# EAGLE board Mk4 Final a Panel score (EAGLE 9.0.1), part 1 of 24 (continued)
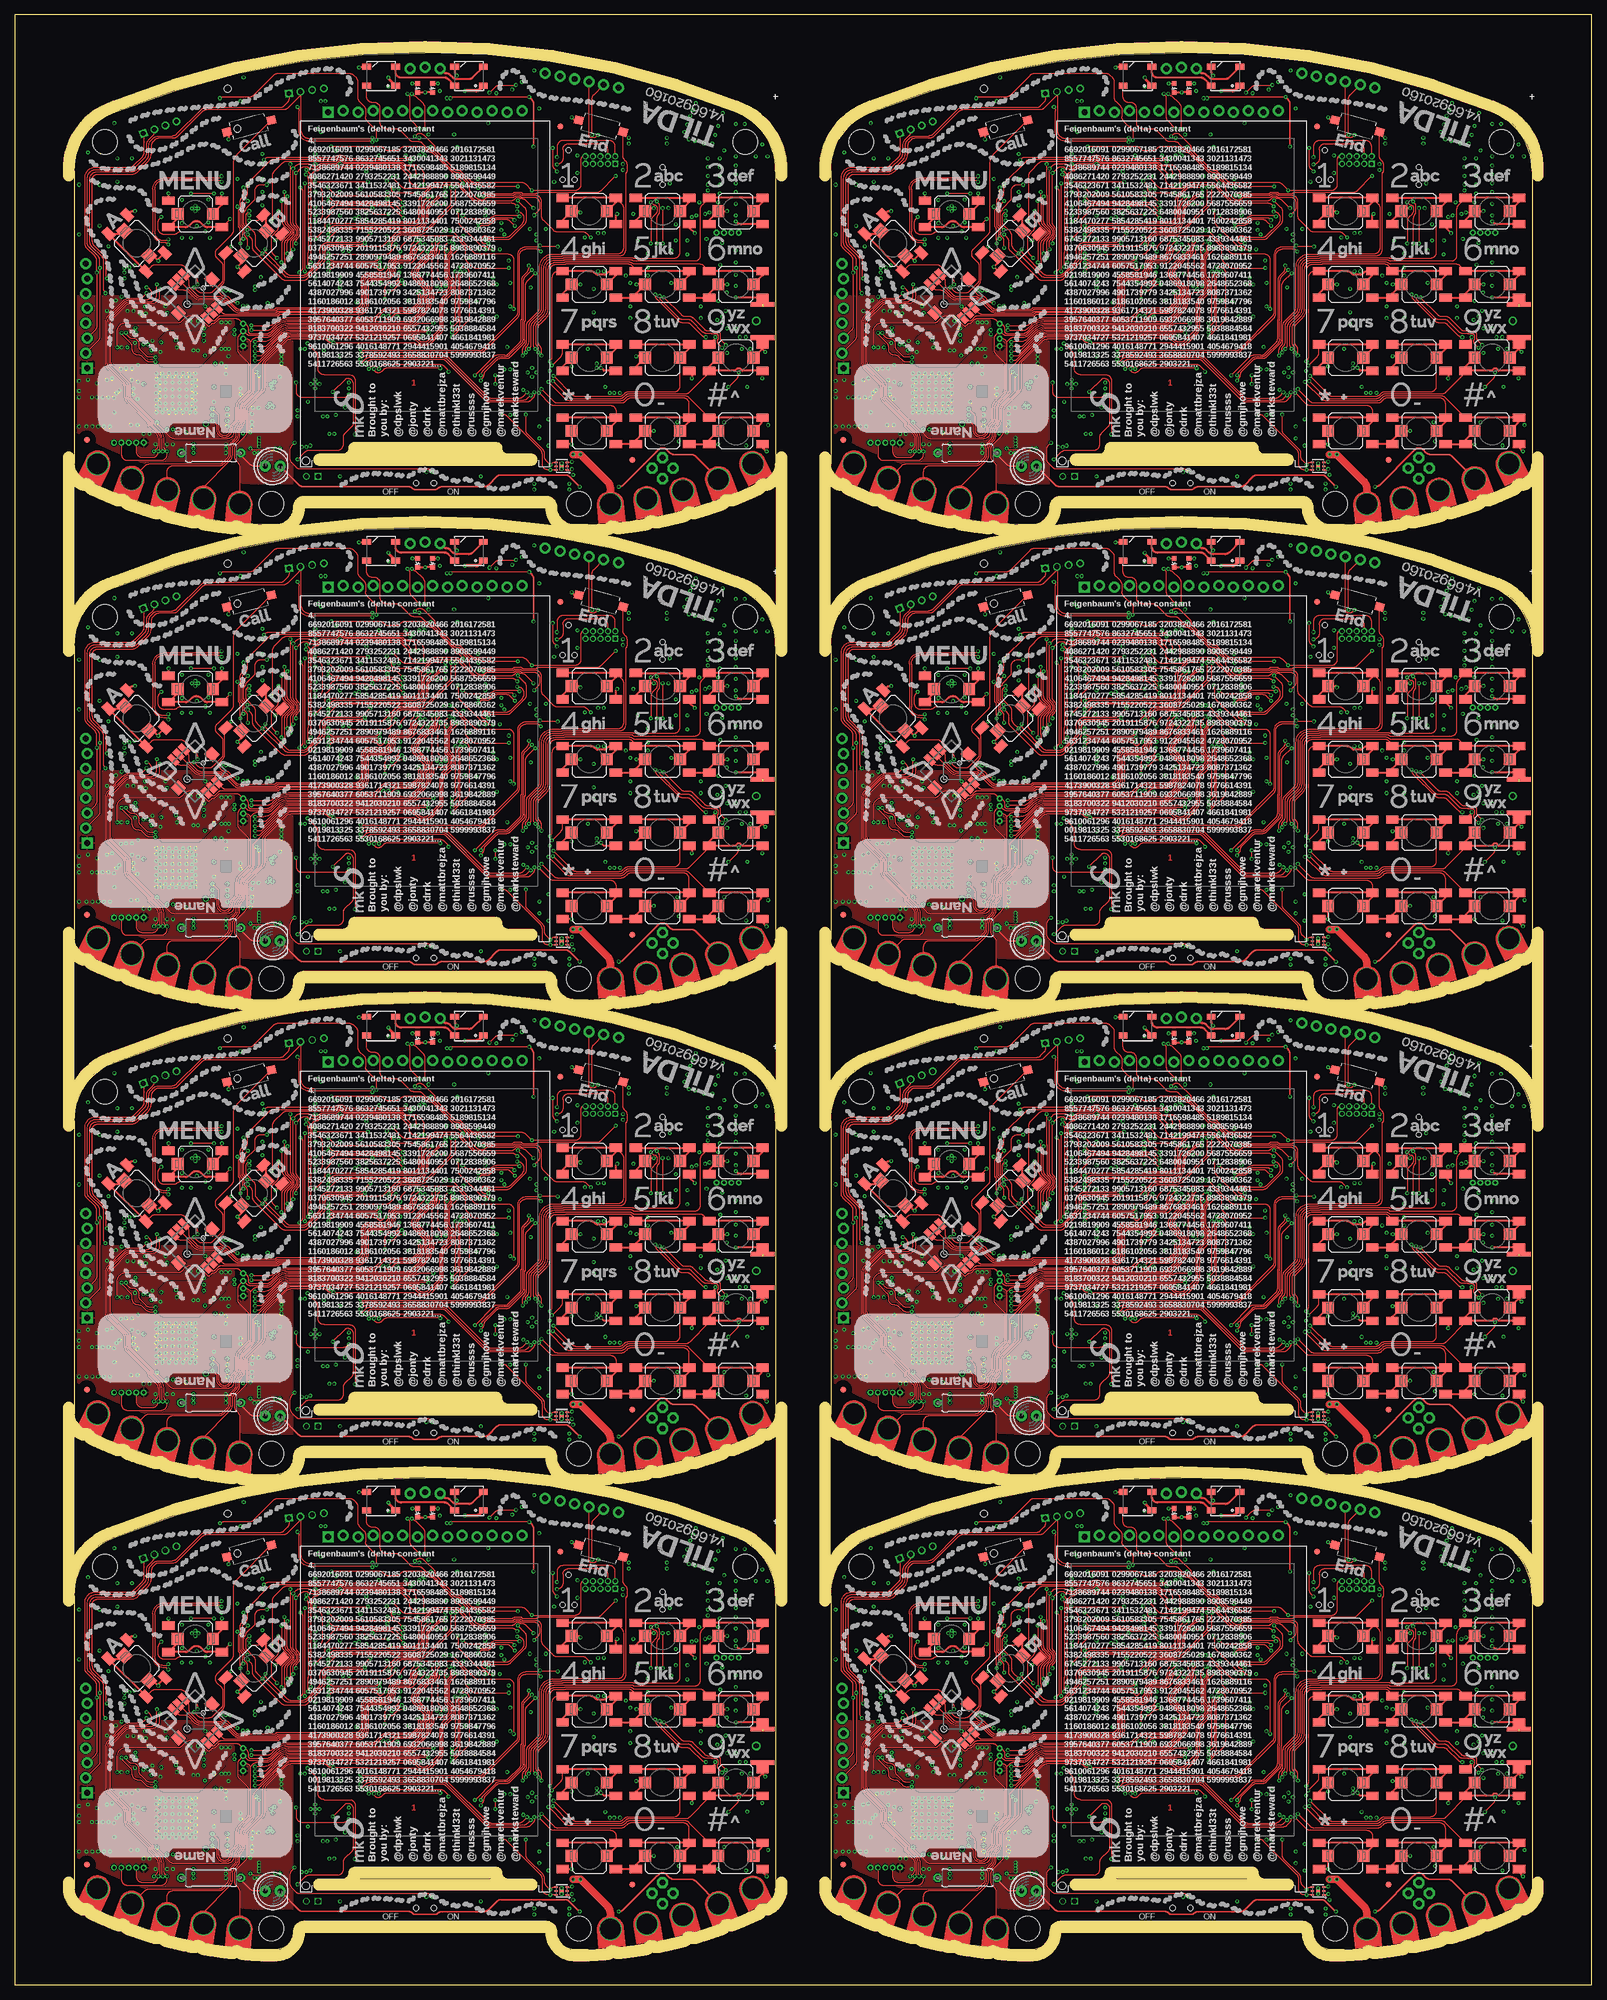
[diagram p0: board, top side]
## Placement (x,y rotation side) (continued)
C103  0402/120p/50V/C0G  [C0402-SMALLER]  37.95,20.35 270 bottom
C104  0402/100n/10V/X5R  [C0402-SMALLER]  94.25,16 90 bottom
C105  0402/220n/6V3/X5R  [C0402-SMALLER]  33.95,66.4 180 bottom
C106  0402/220n/6V3/X5R  [C0402-SMALLER]  34,63.5 180 bottom
C107  0402/100n/10V/X5R  [C0402-SMALLER]  89.35,12.5 270 bottom
C108  0402/100n/10V/X5R  [C0402-SMALLER]  96,15.5 270 bottom
C109  0603/4u7/10V/X5R  [C0603K-SMALL]  190.75,46.25 180 bottom
C110  0402/100n/10V/X5R  [C0402-SMALLER]  190.75,45 180 bottom
C111  0603/1u/6V3/X5R  [C0603K-SMALL]  193.75,81.5 270 bottom
C112  0402/100n/10V/X5R  [C0402-SMALLER]  208.75,52.25 0 bottom
C113  0402/100n/10V/X5R  [C0402-SMALLER]  201.5,78.75 270 bottom
C114  0402/100n/10V/X5R  [C0402-SMALLER]  208.5,74.5 0 bottom
C115  0402/100n/10V/X5R  [C0402-SMALLER]  217.45,76.5 270 bottom
C116  0603/2u2/6V3/X5R  [C0603K-SMALL]  210,57.5 0 bottom
C117  0603/1u/6V3/X5R  [C0603K-SMALL]  210,56.25 0 bottom
C118  0402/100n/10V/X5R  [C0402-SMALLER]  200.75,69 270 bottom
C119  0402/100n/10V/X5R  [C0402-SMALLER]  208.5,59.25 90 bottom
C120  0402/100n/10V/X5R  [C0402-SMALLER]  189.75,58.6 270 bottom
C121  0402/100n/10V/X5R  [C0402-SMALLER]  198.5,68.25 0 bottom
C122  0402/100n/10V/X5R  [C0402-SMALLER]  199,49.5 180 bottom
C123  0402/100n/10V/X5R  [C0402-SMALLER]  201.75,49.5 180 bottom
C124  0603/1u/6V3/X5R  [C0603K-SMALL]  201.75,47.75 180 bottom
C125  0402/100n/10V/X5R  [C0402-SMALLER]  197.5,70.25 0 bottom
C126  0402/12p/50V/C0G  [C0402-SMALLER]  201.25,70.45 180 bottom
C127  0402/12p/50V/C0G  [C0402-SMALLER]  203.25,70.45 0 bottom
C128  0402/12p/50V/C0G  [C0402-SMALLER]  192.4,69 180 bottom
C129  0402/12p/50V/C0G  [C0402-SMALLER]  194.4,69 0 bottom
C130  0603/3n3/50V/X7R  [C0603K-SMALL]  215.5,83.5 90 bottom
C131  0402/100n/10V/X5R  [C0402-SMALLER]  213,31.75 180 bottom
C132  0402/100n/10V/X5R  [C0402-SMALLER]  183.25,67.5 0 bottom
C133  0402/100n/10V/X5R  [C0402-SMALLER]  183.25,62.75 0 bottom
C134  0402/100n/10V/X5R  [C0402-SMALLER]  168.25,60.25 180 bottom
C135  0402/100n/10V/X5R  [C0402-SMALLER]  183.25,58.75 0 bottom
C136  0402/100n/10V/X5R  [C0402-SMALLER]  183.25,69 0 bottom
C137  0402/100n/10V/X5R  [C0402-SMALLER]  168.25,65 180 bottom
C138  0402/100n/10V/X5R  [C0402-SMALLER]  183.25,48.25 0 bottom
C139  1411/100u/10V/Tant  [CT3528]  235.25,31.5 90 bottom
C140  0603/4u7/10V/X5R  [C0603K-SMALL]  240.5,33.75 180 bottom
C141  0402/100n/10V/X5R  [C0402-SMALLER]  242.25,36.75 180 bottom
C142  1411/100u/10V/Tant  [CT3528]  231.5,31.5 90 bottom
C143  0805/10u/10V/X5R  [C0805-N]  171.45,24.75 0 bottom
C144  0603/4u7/10V/X5R  [C0603K-SMALL]  172.45,20.35 90 bottom
C145  0805/10u/10V/X5R  [C0805-N]  171.45,22.75 0 bottom
C146  0805/10u/10V/X5R  [C0805-N]  220,21.75 270 bottom
C147  0805/10u/10V/X5R  [C0805-N]  182.75,26 180 bottom
C148  0805/10u/10V/X5R  [C0805-N]  175.75,32.5 90 bottom
C149  0603/4u7/10V/X5R  [C0603K-SMALL]  175.2,30.25 180 bottom
C150  0402/47n/10V/X5R  [C0402-SMALLER]  175.75,29.25 0 bottom
C151  0805/10u/10V/X5R  [C0805-N]  179.25,25 0 bottom
C152  0603/1u/6V3/X5R  [C0603K-SMALL]  176.75,34.75 0 bottom
C153  1210/100u/6V3/X5R  [C1210K]  165,43.25 270 bottom
C154  1210/100u/6V3/X5R  [C1210K]  162.25,19 0 bottom
C155  0402/22p/10V/C0G  [C0402-SMALLER]  240.5,58.5 270 bottom
C156  0402/22p/10V/C0G  [C0402-SMALLER]  237.5,58.5 270 bottom
C157  0402/22p/10V/C0G  [C0402-SMALLER]  235.5,58.5 270 bottom
C158  0402/100n/10V/X5R  [C0402-SMALLER]  254.25,20.25 180 bottom
C159  0402/33p/50V/C0G  [C0402-SMALLER]  237,72 0 bottom
C160  0402/10p/50V/C0G  [C0402-SMALLER]  235,71 0 bottom
C161  0402/33p/50V/C0G  [C0402-SMALLER]  239,72 180 bottom
C162  0402/33p/50V/C0G  [C0402-SMALLER]  235,72 0 bottom
C163  0402/10p/50V/C0G  [C0402-SMALLER]  237,71 0 bottom
C164  0402/10p/50V/C0G  [C0402-SMALLER]  239,71 180 bottom
C165  0402/33p/50V/C0G  [C0402-SMALLER]  228.5,52.5 90 bottom
C166  0402/10p/50V/C0G  [C0402-SMALLER]  229.5,54.5 90 bottom
C167  0402/33p/50V/C0G  [C0402-SMALLER]  228.5,50.5 270 bottom
C168  0402/33p/50V/C0G  [C0402-SMALLER]  228.5,54.5 90 bottom
C169  0402/10p/50V/C0G  [C0402-SMALLER]  229.5,52.5 90 bottom
C170  0402/10p/50V/C0G  [C0402-SMALLER]  229.5,50.5 270 bottom
C171  0402/100n/10V/X5R  [C0402-SMALLER]  218.25,56.45 180 bottom
C172  0402/100n/10V/X5R  [C0402-SMALLER]  233.75,67 270 bottom
C173  [C0402-SMALLER]  250.45,44.1 270 bottom
C174  [C0402-SMALLER]  251,41.5 180 bottom
C175  [C0402-SMALLER]  249.75,71 20 bottom
C176  [C0402-SMALLER]  250.75,73.75 20 bottom
C177  [C0402-SMALLER]  144.75,29.5 270 bottom
C178  [C0402-SMALLER]  141.5,29.5 270 bottom
C179  0402/1n/10V/X5R  [C0402-SMALLER]  220.5,63.75 0 bottom
C180  0402/2n2/10V/X5R  [C0402-SMALLER]  218.5,63.75 0 bottom
C181  0402/100n/10V/X5R  [C0402-SMALLER]  223,61 0 bottom
C182  0402/100n/10V/X5R  [C0402-SMALLER]  223,60 0 bottom
C183  0402/220n/6V3/X5R  [C0402-SMALLER]  162.95,64.45 180 bottom
C184  0402/220n/6V3/X5R  [C0402-SMALLER]  162.95,65.45 180 bottom
C185  0402/100n/10V/X5R  [C0402-SMALLER]  160.05,55.45 270 bottom
C186  0402/100n/10V/X5R  [C0402-SMALLER]  156,43.25 180 bottom
C187  0402/100n/10V/X5R  [C0402-SMALLER]  147.25,35 270 bottom
C188  0402/100n/10V/X5R  [C0402-SMALLER]  150.5,29.25 0 bottom
C189  0805/10u/10V/X5R  [C0805-N]  150.85,40.1 90 bottom
C190  0402/100n/10V/X5R  [C0402-SMALLER]  153.1,36.25 90 bottom
C191  0402/100n/10V/X5R  [C0402-SMALLER]  163.75,32.75 180 bottom
C192  0603/1u/6V3/X5R  [C0603K-SMALL]  150.5,35.75 0 bottom
C193  0603/22u/4V/X5R  [C0603K-SMALL]  160.25,38.75 90 bottom
C194  0603/22u/4V/X5R  [C0603K-SMALL]  159,38.75 90 bottom
C195  0805/10u/10V/X5R  [C0805-N]  165.25,38 270 bottom
C196  0402/4u7/6V3/X5R  [C0402-SMALLER]  154.6,36 90 bottom
C197  0402/4u7/6V3/X5R  [C0402-SMALLER]  160.2,34.5 180 bottom
C198  0402/4u7/6V3/X5R  [C0402-SMALLER]  155.9,36.2 90 bottom
C199  0402/100n/10V/X5R  [C0402-SMALLER]  155,21 270 bottom
C200  0402/100n/10V/X5R  [C0402-SMALLER]  163,28.25 270 bottom
C201  0805/10u/10V/X5R  [C0805-N]  163.5,34.75 180 bottom
C202  0402/100n/10V/X5R  [C0402-SMALLER]  150.5,28.25 0 bottom
C203  0402/100n/10V/X5R  [C0402-SMALLER]  163.75,31.75 180 bottom
C204  0402/100n/10V/X5R  [C0402-SMALLER]  164,24.75 180 bottom
C205  0402/100n/10V/X5R  [C0402-SMALLER]  156,21 270 bottom
C206  0402/12p/50V/C0G  [C0402-SMALLER]  149.95,26.25 270 bottom
C207  0402/12p/50V/C0G  [C0402-SMALLER]  149.95,24.25 90 bottom
C208  0402/12p/50V/C0G  [C0402-SMALLER]  166.75,27.75 270 bottom
C209  0402/12p/50V/C0G  [C0402-SMALLER]  166.75,29.75 90 bottom
C210  0402/100n/10V/X5R  [C0402-SMALLER]  214,25.5 180 bottom
C211  0402/120p/50V/C0G  [C0402-SMALLER]  166.95,20.35 270 bottom
C212  0402/100n/10V/X5R  [C0402-SMALLER]  223.25,16 90 bottom
C213  0402/220n/6V3/X5R  [C0402-SMALLER]  162.95,66.4 180 bottom
C214  0402/220n/6V3/X5R  [C0402-SMALLER]  163,63.5 180 bottom
C215  0402/100n/10V/X5R  [C0402-SMALLER]  218.35,12.5 270 bottom
C216  0402/100n/10V/X5R  [C0402-SMALLER]  225,15.5 270 bottom
C217  0603/4u7/10V/X5R  [C0603K-SMALL]  61.75,127.25 180 bottom
C218  0402/100n/10V/X5R  [C0402-SMALLER]  61.75,126 180 bottom
C219  0603/1u/6V3/X5R  [C0603K-SMALL]  64.75,162.5 270 bottom
C220  0402/100n/10V/X5R  [C0402-SMALLER]  79.75,133.25 0 bottom
C221  0402/100n/10V/X5R  [C0402-SMALLER]  72.5,159.75 270 bottom
C222  0402/100n/10V/X5R  [C0402-SMALLER]  79.5,155.5 0 bottom
C223  0402/100n/10V/X5R  [C0402-SMALLER]  88.45,157.5 270 bottom
C224  0603/2u2/6V3/X5R  [C0603K-SMALL]  81,138.5 0 bottom
C225  0603/1u/6V3/X5R  [C0603K-SMALL]  81,137.25 0 bottom
C226  0402/100n/10V/X5R  [C0402-SMALLER]  71.75,150 270 bottom
C227  0402/100n/10V/X5R  [C0402-SMALLER]  79.5,140.25 90 bottom
C228  0402/100n/10V/X5R  [C0402-SMALLER]  60.75,139.6 270 bottom
C229  0402/100n/10V/X5R  [C0402-SMALLER]  69.5,149.25 0 bottom
C230  0402/100n/10V/X5R  [C0402-SMALLER]  70,130.5 180 bottom
C231  0402/100n/10V/X5R  [C0402-SMALLER]  72.75,130.5 180 bottom
C232  0603/1u/6V3/X5R  [C0603K-SMALL]  72.75,128.75 180 bottom
C233  0402/100n/10V/X5R  [C0402-SMALLER]  68.5,151.25 0 bottom
C234  0402/12p/50V/C0G  [C0402-SMALLER]  72.25,151.45 180 bottom
C235  0402/12p/50V/C0G  [C0402-SMALLER]  74.25,151.45 0 bottom
C236  0402/12p/50V/C0G  [C0402-SMALLER]  63.4,150 180 bottom
C237  0402/12p/50V/C0G  [C0402-SMALLER]  65.4,150 0 bottom
C238  0603/3n3/50V/X7R  [C0603K-SMALL]  86.5,164.5 90 bottom
C239  0402/100n/10V/X5R  [C0402-SMALLER]  84,112.75 180 bottom
C240  0402/100n/10V/X5R  [C0402-SMALLER]  54.25,148.5 0 bottom
C241  0402/100n/10V/X5R  [C0402-SMALLER]  54.25,143.75 0 bottom
C242  0402/100n/10V/X5R  [C0402-SMALLER]  39.25,141.25 180 bottom
C243  0402/100n/10V/X5R  [C0402-SMALLER]  54.25,139.75 0 bottom
C244  0402/100n/10V/X5R  [C0402-SMALLER]  54.25,150 0 bottom
C245  0402/100n/10V/X5R  [C0402-SMALLER]  39.25,146 180 bottom
C246  0402/100n/10V/X5R  [C0402-SMALLER]  54.25,129.25 0 bottom
C247  1411/100u/10V/Tant  [CT3528]  106.25,112.5 90 bottom
C248  0603/4u7/10V/X5R  [C0603K-SMALL]  111.5,114.75 180 bottom
C249  0402/100n/10V/X5R  [C0402-SMALLER]  113.25,117.75 180 bottom
C250  1411/100u/10V/Tant  [CT3528]  102.5,112.5 90 bottom
C251  0805/10u/10V/X5R  [C0805-N]  42.45,105.75 0 bottom
C252  0603/4u7/10V/X5R  [C0603K-SMALL]  43.45,101.35 90 bottom
C253  0805/10u/10V/X5R  [C0805-N]  42.45,103.75 0 bottom
C254  0805/10u/10V/X5R  [C0805-N]  91,102.75 270 bottom
C255  0805/10u/10V/X5R  [C0805-N]  53.75,107 180 bottom
C256  0805/10u/10V/X5R  [C0805-N]  46.75,113.5 90 bottom
C257  0603/4u7/10V/X5R  [C0603K-SMALL]  46.2,111.25 180 bottom
C258  0402/47n/10V/X5R  [C0402-SMALLER]  46.75,110.25 0 bottom
C259  0805/10u/10V/X5R  [C0805-N]  50.25,106 0 bottom
C260  0603/1u/6V3/X5R  [C0603K-SMALL]  47.75,115.75 0 bottom
C261  1210/100u/6V3/X5R  [C1210K]  36,124.25 270 bottom
C262  1210/100u/6V3/X5R  [C1210K]  33.25,100 0 bottom
C263  0402/22p/10V/C0G  [C0402-SMALLER]  111.5,139.5 270 bottom
C264  0402/22p/10V/C0G  [C0402-SMALLER]  108.5,139.5 270 bottom
C265  0402/22p/10V/C0G  [C0402-SMALLER]  106.5,139.5 270 bottom
C266  0402/100n/10V/X5R  [C0402-SMALLER]  125.25,101.25 180 bottom
C267  0402/33p/50V/C0G  [C0402-SMALLER]  108,153 0 bottom
C268  0402/10p/50V/C0G  [C0402-SMALLER]  106,152 0 bottom
C269  0402/33p/50V/C0G  [C0402-SMALLER]  110,153 180 bottom
C270  0402/33p/50V/C0G  [C0402-SMALLER]  106,153 0 bottom
C271  0402/10p/50V/C0G  [C0402-SMALLER]  108,152 0 bottom
C272  0402/10p/50V/C0G  [C0402-SMALLER]  110,152 180 bottom
C273  0402/33p/50V/C0G  [C0402-SMALLER]  99.5,133.5 90 bottom
C274  0402/10p/50V/C0G  [C0402-SMALLER]  100.5,135.5 90 bottom
C275  0402/33p/50V/C0G  [C0402-SMALLER]  99.5,131.5 270 bottom
C276  0402/33p/50V/C0G  [C0402-SMALLER]  99.5,135.5 90 bottom
C277  0402/10p/50V/C0G  [C0402-SMALLER]  100.5,133.5 90 bottom
C278  0402/10p/50V/C0G  [C0402-SMALLER]  100.5,131.5 270 bottom
C279  0402/100n/10V/X5R  [C0402-SMALLER]  89.25,137.45 180 bottom
C280  0402/100n/10V/X5R  [C0402-SMALLER]  104.75,148 270 bottom
C281  [C0402-SMALLER]  121.45,125.1 270 bottom
C282  [C0402-SMALLER]  122,122.5 180 bottom
C283  [C0402-SMALLER]  120.75,152 20 bottom
C284  [C0402-SMALLER]  121.75,154.75 20 bottom
C285  [C0402-SMALLER]  15.75,110.5 270 bottom
C286  [C0402-SMALLER]  12.5,110.5 270 bottom
C287  0402/1n/10V/X5R  [C0402-SMALLER]  91.5,144.75 0 bottom
C288  0402/2n2/10V/X5R  [C0402-SMALLER]  89.5,144.75 0 bottom
C289  0402/100n/10V/X5R  [C0402-SMALLER]  94,142 0 bottom
C290  0402/100n/10V/X5R  [C0402-SMALLER]  94,141 0 bottom
C291  0402/220n/6V3/X5R  [C0402-SMALLER]  33.95,145.45 180 bottom
C292  0402/220n/6V3/X5R  [C0402-SMALLER]  33.95,146.45 180 bottom
C293  0402/100n/10V/X5R  [C0402-SMALLER]  31.05,136.45 270 bottom
C294  0402/100n/10V/X5R  [C0402-SMALLER]  27,124.25 180 bottom
C295  0402/100n/10V/X5R  [C0402-SMALLER]  18.25,116 270 bottom
C296  0402/100n/10V/X5R  [C0402-SMALLER]  21.5,110.25 0 bottom
C297  0805/10u/10V/X5R  [C0805-N]  21.85,121.1 90 bottom
C298  0402/100n/10V/X5R  [C0402-SMALLER]  24.1,117.25 90 bottom
C299  0402/100n/10V/X5R  [C0402-SMALLER]  34.75,113.75 180 bottom
C300  0603/1u/6V3/X5R  [C0603K-SMALL]  21.5,116.75 0 bottom
C301  0603/22u/4V/X5R  [C0603K-SMALL]  31.25,119.75 90 bottom
C302  0603/22u/4V/X5R  [C0603K-SMALL]  30,119.75 90 bottom
C303  0805/10u/10V/X5R  [C0805-N]  36.25,119 270 bottom
C304  0402/4u7/6V3/X5R  [C0402-SMALLER]  25.6,117 90 bottom
C305  0402/4u7/6V3/X5R  [C0402-SMALLER]  31.2,115.5 180 bottom
C306  0402/4u7/6V3/X5R  [C0402-SMALLER]  26.9,117.2 90 bottom
C307  0402/100n/10V/X5R  [C0402-SMALLER]  26,102 270 bottom
C308  0402/100n/10V/X5R  [C0402-SMALLER]  34,109.25 270 bottom
C309  0805/10u/10V/X5R  [C0805-N]  34.5,115.75 180 bottom
C310  0402/100n/10V/X5R  [C0402-SMALLER]  21.5,109.25 0 bottom
C311  0402/100n/10V/X5R  [C0402-SMALLER]  34.75,112.75 180 bottom
C312  0402/100n/10V/X5R  [C0402-SMALLER]  35,105.75 180 bottom
C313  0402/100n/10V/X5R  [C0402-SMALLER]  27,102 270 bottom
C314  0402/12p/50V/C0G  [C0402-SMALLER]  20.95,107.25 270 bottom
C315  0402/12p/50V/C0G  [C0402-SMALLER]  20.95,105.25 90 bottom
C316  0402/12p/50V/C0G  [C0402-SMALLER]  37.75,108.75 270 bottom
C317  0402/12p/50V/C0G  [C0402-SMALLER]  37.75,110.75 90 bottom
C318  0402/100n/10V/X5R  [C0402-SMALLER]  85,106.5 180 bottom
C319  0402/120p/50V/C0G  [C0402-SMALLER]  37.95,101.35 270 bottom
C320  0402/100n/10V/X5R  [C0402-SMALLER]  94.25,97 90 bottom
C321  0402/220n/6V3/X5R  [C0402-SMALLER]  33.95,147.4 180 bottom
C322  0402/220n/6V3/X5R  [C0402-SMALLER]  34,144.5 180 bottom
C323  0402/100n/10V/X5R  [C0402-SMALLER]  89.35,93.5 270 bottom
C324  0402/100n/10V/X5R  [C0402-SMALLER]  96,96.5 270 bottom
C325  0603/4u7/10V/X5R  [C0603K-SMALL]  190.75,127.25 180 bottom
C326  0402/100n/10V/X5R  [C0402-SMALLER]  190.75,126 180 bottom
C327  0603/1u/6V3/X5R  [C0603K-SMALL]  193.75,162.5 270 bottom
C328  0402/100n/10V/X5R  [C0402-SMALLER]  208.75,133.25 0 bottom
C329  0402/100n/10V/X5R  [C0402-SMALLER]  201.5,159.75 270 bottom
C330  0402/100n/10V/X5R  [C0402-SMALLER]  208.5,155.5 0 bottom
C331  0402/100n/10V/X5R  [C0402-SMALLER]  217.45,157.5 270 bottom
C332  0603/2u2/6V3/X5R  [C0603K-SMALL]  210,138.5 0 bottom
C333  0603/1u/6V3/X5R  [C0603K-SMALL]  210,137.25 0 bottom
C334  0402/100n/10V/X5R  [C0402-SMALLER]  200.75,150 270 bottom
C335  0402/100n/10V/X5R  [C0402-SMALLER]  208.5,140.25 90 bottom
C336  0402/100n/10V/X5R  [C0402-SMALLER]  189.75,139.6 270 bottom
C337  0402/100n/10V/X5R  [C0402-SMALLER]  198.5,149.25 0 bottom
C338  0402/100n/10V/X5R  [C0402-SMALLER]  199,130.5 180 bottom
C339  0402/100n/10V/X5R  [C0402-SMALLER]  201.75,130.5 180 bottom
C340  0603/1u/6V3/X5R  [C0603K-SMALL]  201.75,128.75 180 bottom
C341  0402/100n/10V/X5R  [C0402-SMALLER]  197.5,151.25 0 bottom
C342  0402/12p/50V/C0G  [C0402-SMALLER]  201.25,151.45 180 bottom
C343  0402/12p/50V/C0G  [C0402-SMALLER]  203.25,151.45 0 bottom
C344  0402/12p/50V/C0G  [C0402-SMALLER]  192.4,150 180 bottom
C345  0402/12p/50V/C0G  [C0402-SMALLER]  194.4,150 0 bottom
C346  0603/3n3/50V/X7R  [C0603K-SMALL]  215.5,164.5 90 bottom
C347  0402/100n/10V/X5R  [C0402-SMALLER]  213,112.75 180 bottom
C348  0402/100n/10V/X5R  [C0402-SMALLER]  183.25,148.5 0 bottom
C349  0402/100n/10V/X5R  [C0402-SMALLER]  183.25,143.75 0 bottom
C350  0402/100n/10V/X5R  [C0402-SMALLER]  168.25,141.25 180 bottom
C351  0402/100n/10V/X5R  [C0402-SMALLER]  183.25,139.75 0 bottom
C352  0402/100n/10V/X5R  [C0402-SMALLER]  183.25,150 0 bottom
C353  0402/100n/10V/X5R  [C0402-SMALLER]  168.25,146 180 bottom
C354  0402/100n/10V/X5R  [C0402-SMALLER]  183.25,129.25 0 bottom
C355  1411/100u/10V/Tant  [CT3528]  235.25,112.5 90 bottom
C356  0603/4u7/10V/X5R  [C0603K-SMALL]  240.5,114.75 180 bottom
C357  0402/100n/10V/X5R  [C0402-SMALLER]  242.25,117.75 180 bottom
C358  1411/100u/10V/Tant  [CT3528]  231.5,112.5 90 bottom
C359  0805/10u/10V/X5R  [C0805-N]  171.45,105.75 0 bottom
C360  0603/4u7/10V/X5R  [C0603K-SMALL]  172.45,101.35 90 bottom
C361  0805/10u/10V/X5R  [C0805-N]  171.45,103.75 0 bottom
C362  0805/10u/10V/X5R  [C0805-N]  220,102.75 270 bottom
C363  0805/10u/10V/X5R  [C0805-N]  182.75,107 180 bottom
C364  0805/10u/10V/X5R  [C0805-N]  175.75,113.5 90 bottom
C365  0603/4u7/10V/X5R  [C0603K-SMALL]  175.2,111.25 180 bottom
C366  0402/47n/10V/X5R  [C0402-SMALLER]  175.75,110.25 0 bottom
C367  0805/10u/10V/X5R  [C0805-N]  179.25,106 0 bottom
C368  0603/1u/6V3/X5R  [C0603K-SMALL]  176.75,115.75 0 bottom
C369  1210/100u/6V3/X5R  [C1210K]  165,124.25 270 bottom
C370  1210/100u/6V3/X5R  [C1210K]  162.25,100 0 bottom
C371  0402/22p/10V/C0G  [C0402-SMALLER]  240.5,139.5 270 bottom
C372  0402/22p/10V/C0G  [C0402-SMALLER]  237.5,139.5 270 bottom
C373  0402/22p/10V/C0G  [C0402-SMALLER]  235.5,139.5 270 bottom
C374  0402/100n/10V/X5R  [C0402-SMALLER]  254.25,101.25 180 bottom
C375  0402/33p/50V/C0G  [C0402-SMALLER]  237,153 0 bottom
C376  0402/10p/50V/C0G  [C0402-SMALLER]  235,152 0 bottom
C377  0402/33p/50V/C0G  [C0402-SMALLER]  239,153 180 bottom
C378  0402/33p/50V/C0G  [C0402-SMALLER]  235,153 0 bottom
C379  0402/10p/50V/C0G  [C0402-SMALLER]  237,152 0 bottom
C380  0402/10p/50V/C0G  [C0402-SMALLER]  239,152 180 bottom
C381  0402/33p/50V/C0G  [C0402-SMALLER]  228.5,133.5 90 bottom
C382  0402/10p/50V/C0G  [C0402-SMALLER]  229.5,135.5 90 bottom
C383  0402/33p/50V/C0G  [C0402-SMALLER]  228.5,131.5 270 bottom
C384  0402/33p/50V/C0G  [C0402-SMALLER]  228.5,135.5 90 bottom
C385  0402/10p/50V/C0G  [C0402-SMALLER]  229.5,133.5 90 bottom
C386  0402/10p/50V/C0G  [C0402-SMALLER]  229.5,131.5 270 bottom
C387  0402/100n/10V/X5R  [C0402-SMALLER]  218.25,137.45 180 bottom
C388  0402/100n/10V/X5R  [C0402-SMALLER]  233.75,148 270 bottom
C389  [C0402-SMALLER]  250.45,125.1 270 bottom
C390  [C0402-SMALLER]  251,122.5 180 bottom
C391  [C0402-SMALLER]  249.75,152 20 bottom
C392  [C0402-SMALLER]  250.75,154.75 20 bottom
C393  [C0402-SMALLER]  144.75,110.5 270 bottom
C394  [C0402-SMALLER]  141.5,110.5 270 bottom
C395  0402/1n/10V/X5R  [C0402-SMALLER]  220.5,144.75 0 bottom
C396  0402/2n2/10V/X5R  [C0402-SMALLER]  218.5,144.75 0 bottom
C397  0402/100n/10V/X5R  [C0402-SMALLER]  223,142 0 bottom
C398  0402/100n/10V/X5R  [C0402-SMALLER]  223,141 0 bottom
C399  0402/220n/6V3/X5R  [C0402-SMALLER]  162.95,145.45 180 bottom
C400  0402/220n/6V3/X5R  [C0402-SMALLER]  162.95,146.45 180 bottom
C401  0402/100n/10V/X5R  [C0402-SMALLER]  160.05,136.45 270 bottom
C402  0402/100n/10V/X5R  [C0402-SMALLER]  156,124.25 180 bottom
C403  0402/100n/10V/X5R  [C0402-SMALLER]  147.25,116 270 bottom
C404  0402/100n/10V/X5R  [C0402-SMALLER]  150.5,110.25 0 bottom
C405  0805/10u/10V/X5R  [C0805-N]  150.85,121.1 90 bottom
C406  0402/100n/10V/X5R  [C0402-SMALLER]  153.1,117.25 90 bottom
C407  0402/100n/10V/X5R  [C0402-SMALLER]  163.75,113.75 180 bottom
C408  0603/1u/6V3/X5R  [C0603K-SMALL]  150.5,116.75 0 bottom
C409  0603/22u/4V/X5R  [C0603K-SMALL]  160.25,119.75 90 bottom
C410  0603/22u/4V/X5R  [C0603K-SMALL]  159,119.75 90 bottom
C411  0805/10u/10V/X5R  [C0805-N]  165.25,119 270 bottom
C412  0402/4u7/6V3/X5R  [C0402-SMALLER]  154.6,117 90 bottom
C413  0402/4u7/6V3/X5R  [C0402-SMALLER]  160.2,115.5 180 bottom
C414  0402/4u7/6V3/X5R  [C0402-SMALLER]  155.9,117.2 90 bottom
C415  0402/100n/10V/X5R  [C0402-SMALLER]  155,102 270 bottom
C416  0402/100n/10V/X5R  [C0402-SMALLER]  163,109.25 270 bottom
C417  0805/10u/10V/X5R  [C0805-N]  163.5,115.75 180 bottom
C418  0402/100n/10V/X5R  [C0402-SMALLER]  150.5,109.25 0 bottom
C419  0402/100n/10V/X5R  [C0402-SMALLER]  163.75,112.75 180 bottom
C420  0402/100n/10V/X5R  [C0402-SMALLER]  164,105.75 180 bottom
C421  0402/100n/10V/X5R  [C0402-SMALLER]  156,102 270 bottom
C422  0402/12p/50V/C0G  [C0402-SMALLER]  149.95,107.25 270 bottom
C423  0402/12p/50V/C0G  [C0402-SMALLER]  149.95,105.25 90 bottom
C424  0402/12p/50V/C0G  [C0402-SMALLER]  166.75,108.75 270 bottom
C425  0402/12p/50V/C0G  [C0402-SMALLER]  166.75,110.75 90 bottom
C426  0402/100n/10V/X5R  [C0402-SMALLER]  214,106.5 180 bottom
C427  0402/120p/50V/C0G  [C0402-SMALLER]  166.95,101.35 270 bottom
C428  0402/100n/10V/X5R  [C0402-SMALLER]  223.25,97 90 bottom
C429  0402/220n/6V3/X5R  [C0402-SMALLER]  162.95,147.4 180 bottom
C430  0402/220n/6V3/X5R  [C0402-SMALLER]  163,144.5 180 bottom
C431  0402/100n/10V/X5R  [C0402-SMALLER]  218.35,93.5 270 bottom
C432  0402/100n/10V/X5R  [C0402-SMALLER]  225,96.5 270 bottom
C433  0603/4u7/10V/X5R  [C0603K-SMALL]  61.75,208.25 180 bottom
C434  0402/100n/10V/X5R  [C0402-SMALLER]  61.75,207 180 bottom
C435  0603/1u/6V3/X5R  [C0603K-SMALL]  64.75,243.5 270 bottom
C436  0402/100n/10V/X5R  [C0402-SMALLER]  79.75,214.25 0 bottom
C437  0402/100n/10V/X5R  [C0402-SMALLER]  72.5,240.75 270 bottom
C438  0402/100n/10V/X5R  [C0402-SMALLER]  79.5,236.5 0 bottom
C439  0402/100n/10V/X5R  [C0402-SMALLER]  88.45,238.5 270 bottom
C440  0603/2u2/6V3/X5R  [C0603K-SMALL]  81,219.5 0 bottom
C441  0603/1u/6V3/X5R  [C0603K-SMALL]  81,218.25 0 bottom
C442  0402/100n/10V/X5R  [C0402-SMALLER]  71.75,231 270 bottom
C443  0402/100n/10V/X5R  [C0402-SMALLER]  79.5,221.25 90 bottom
C444  0402/100n/10V/X5R  [C0402-SMALLER]  60.75,220.6 270 bottom
C445  0402/100n/10V/X5R  [C0402-SMALLER]  69.5,230.25 0 bottom
C446  0402/100n/10V/X5R  [C0402-SMALLER]  70,211.5 180 bottom
C447  0402/100n/10V/X5R  [C0402-SMALLER]  72.75,211.5 180 bottom
C448  0603/1u/6V3/X5R  [C0603K-SMALL]  72.75,209.75 180 bottom
C449  0402/100n/10V/X5R  [C0402-SMALLER]  68.5,232.25 0 bottom
C450  0402/12p/50V/C0G  [C0402-SMALLER]  72.25,232.45 180 bottom
C451  0402/12p/50V/C0G  [C0402-SMALLER]  74.25,232.45 0 bottom
C452  0402/12p/50V/C0G  [C0402-SMALLER]  63.4,231 180 bottom
C453  0402/12p/50V/C0G  [C0402-SMALLER]  65.4,231 0 bottom
C454  0603/3n3/50V/X7R  [C0603K-SMALL]  86.5,245.5 90 bottom
C455  0402/100n/10V/X5R  [C0402-SMALLER]  84,193.75 180 bottom
C456  0402/100n/10V/X5R  [C0402-SMALLER]  54.25,229.5 0 bottom
C457  0402/100n/10V/X5R  [C0402-SMALLER]  54.25,224.75 0 bottom
C458  0402/100n/10V/X5R  [C0402-SMALLER]  39.25,222.25 180 bottom
C459  0402/100n/10V/X5R  [C0402-SMALLER]  54.25,220.75 0 bottom
C460  0402/100n/10V/X5R  [C0402-SMALLER]  54.25,231 0 bottom
C461  0402/100n/10V/X5R  [C0402-SMALLER]  39.25,227 180 bottom
C462  0402/100n/10V/X5R  [C0402-SMALLER]  54.25,210.25 0 bottom
C463  1411/100u/10V/Tant  [CT3528]  106.25,193.5 90 bottom
C464  0603/4u7/10V/X5R  [C0603K-SMALL]  111.5,195.75 180 bottom
C465  0402/100n/10V/X5R  [C0402-SMALLER]  113.25,198.75 180 bottom
C466  1411/100u/10V/Tant  [CT3528]  102.5,193.5 90 bottom
C467  0805/10u/10V/X5R  [C0805-N]  42.45,186.75 0 bottom
C468  0603/4u7/10V/X5R  [C0603K-SMALL]  43.45,182.35 90 bottom
C469  0805/10u/10V/X5R  [C0805-N]  42.45,184.75 0 bottom
C470  0805/10u/10V/X5R  [C0805-N]  91,183.75 270 bottom
C471  0805/10u/10V/X5R  [C0805-N]  53.75,188 180 bottom
C472  0805/10u/10V/X5R  [C0805-N]  46.75,194.5 90 bottom
C473  0603/4u7/10V/X5R  [C0603K-SMALL]  46.2,192.25 180 bottom
C474  0402/47n/10V/X5R  [C0402-SMALLER]  46.75,191.25 0 bottom
C475  0805/10u/10V/X5R  [C0805-N]  50.25,187 0 bottom
C476  0603/1u/6V3/X5R  [C0603K-SMALL]  47.75,196.75 0 bottom
C477  1210/100u/6V3/X5R  [C1210K]  36,205.25 270 bottom
C478  1210/100u/6V3/X5R  [C1210K]  33.25,181 0 bottom
C479  0402/22p/10V/C0G  [C0402-SMALLER]  111.5,220.5 270 bottom
C480  0402/22p/10V/C0G  [C0402-SMALLER]  108.5,220.5 270 bottom
C481  0402/22p/10V/C0G  [C0402-SMALLER]  106.5,220.5 270 bottom
C482  0402/100n/10V/X5R  [C0402-SMALLER]  125.25,182.25 180 bottom
C483  0402/33p/50V/C0G  [C0402-SMALLER]  108,234 0 bottom
C484  0402/10p/50V/C0G  [C0402-SMALLER]  106,233 0 bottom
C485  0402/33p/50V/C0G  [C0402-SMALLER]  110,234 180 bottom
C486  0402/33p/50V/C0G  [C0402-SMALLER]  106,234 0 bottom
C487  0402/10p/50V/C0G  [C0402-SMALLER]  108,233 0 bottom
C488  0402/10p/50V/C0G  [C0402-SMALLER]  110,233 180 bottom
C489  0402/33p/50V/C0G  [C0402-SMALLER]  99.5,214.5 90 bottom
C490  0402/10p/50V/C0G  [C0402-SMALLER]  100.5,216.5 90 bottom
C491  0402/33p/50V/C0G  [C0402-SMALLER]  99.5,212.5 270 bottom
C492  0402/33p/50V/C0G  [C0402-SMALLER]  99.5,216.5 90 bottom
C493  0402/10p/50V/C0G  [C0402-SMALLER]  100.5,214.5 90 bottom
C494  0402/10p/50V/C0G  [C0402-SMALLER]  100.5,212.5 270 bottom
C495  0402/100n/10V/X5R  [C0402-SMALLER]  89.25,218.45 180 bottom
C496  0402/100n/10V/X5R  [C0402-SMALLER]  104.75,229 270 bottom
C497  [C0402-SMALLER]  121.45,206.1 270 bottom
C498  [C0402-SMALLER]  122,203.5 180 bottom
C499  [C0402-SMALLER]  120.75,233 20 bottom
C500  [C0402-SMALLER]  121.75,235.75 20 bottom
C501  [C0402-SMALLER]  15.75,191.5 270 bottom
C502  [C0402-SMALLER]  12.5,191.5 270 bottom
C503  0402/1n/10V/X5R  [C0402-SMALLER]  91.5,225.75 0 bottom
C504  0402/2n2/10V/X5R  [C0402-SMALLER]  89.5,225.75 0 bottom
C505  0402/100n/10V/X5R  [C0402-SMALLER]  94,223 0 bottom
C506  0402/100n/10V/X5R  [C0402-SMALLER]  94,222 0 bottom
C507  0402/220n/6V3/X5R  [C0402-SMALLER]  33.95,226.45 180 bottom